# Altium PCB BLE_Gamepad_PCB.PcbDoc (part 2 of 2)
Units mm, origin at the board's own origin, x right, y up, seen from the top; angles counter-clockwise.
Board outline 144.15 x 112 mm, 2 copper layers (Top Layer, Bottom Layer), stack 1.671 mm thick; 133 components, 103 nets, 491 pads, 729 vias.
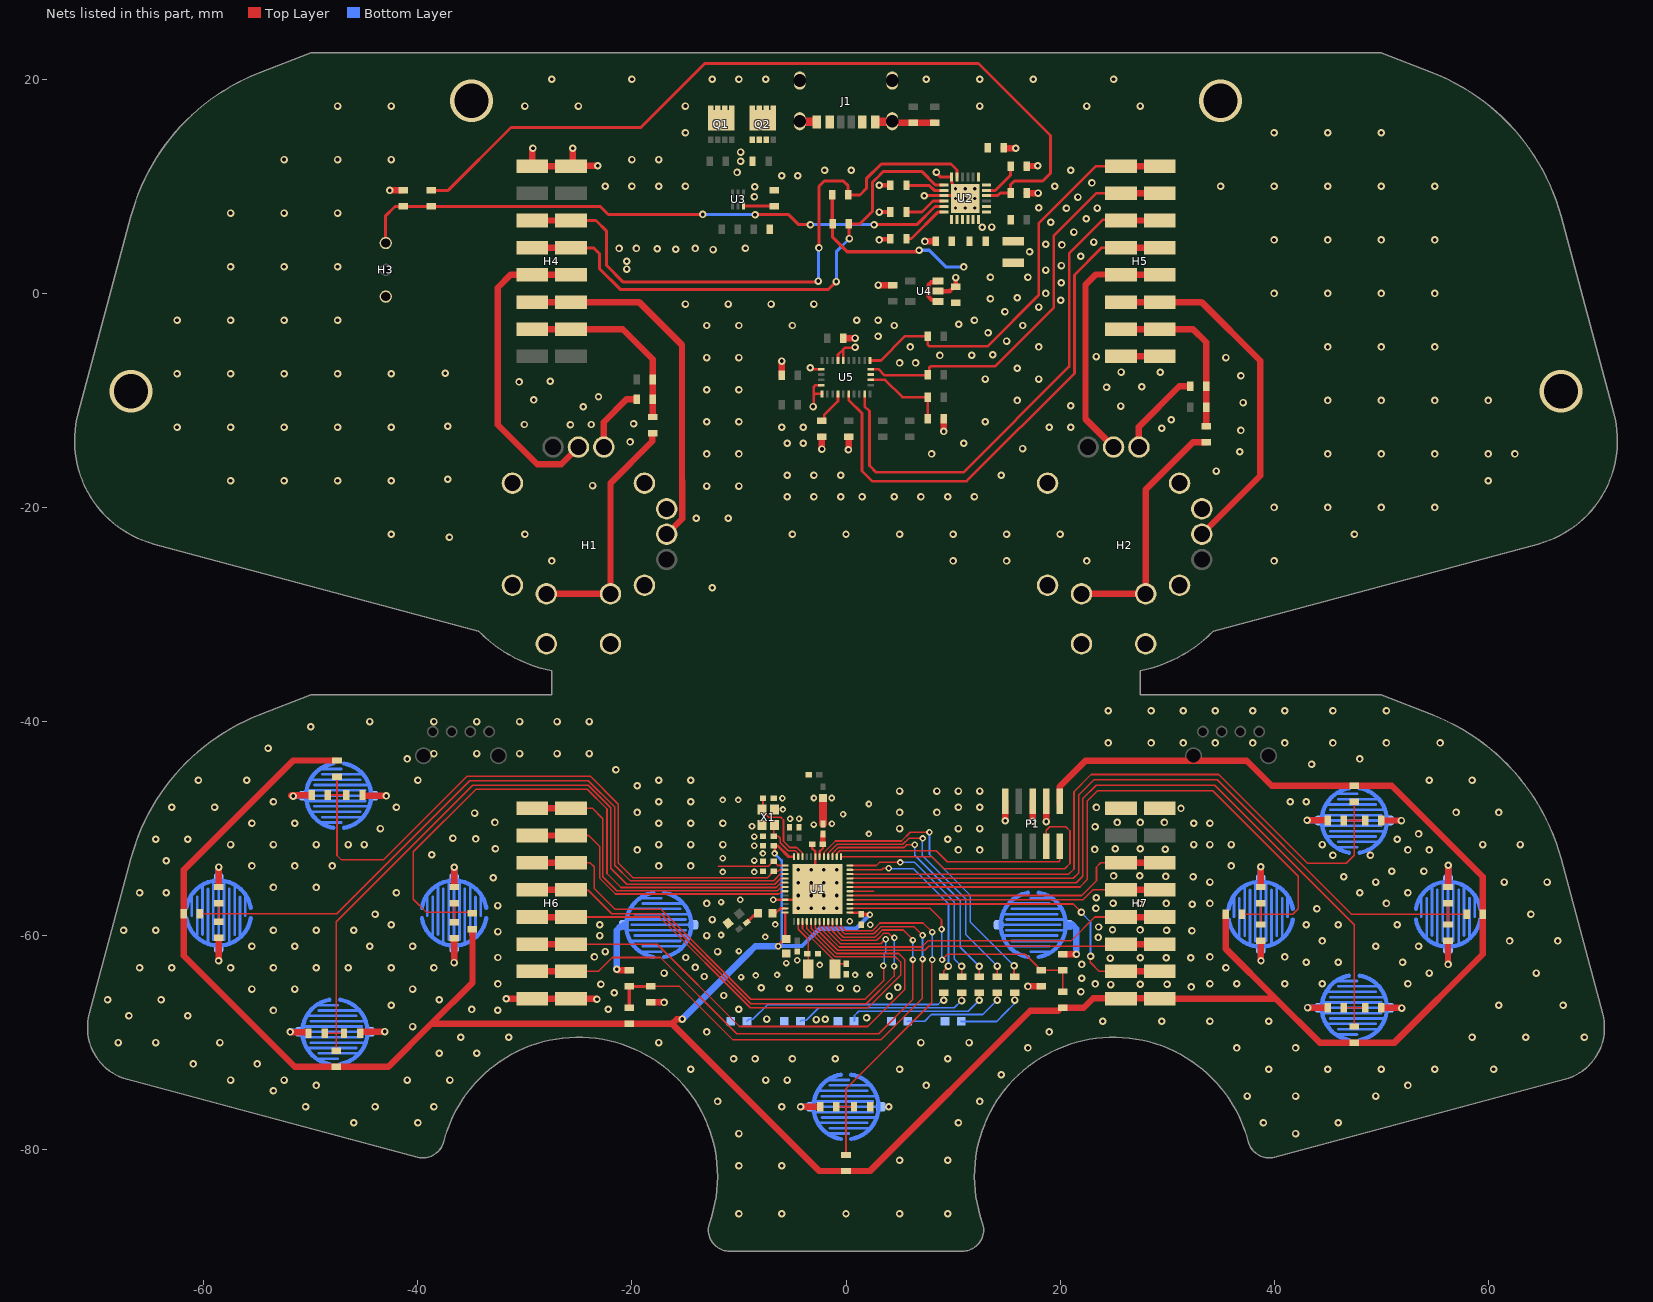
[diagram p2: the nets of this part, all layers, seen from the top]

## Via types
v1: diameter 0.7, hole 0.35, Top Layer to Bottom Layer, tented both sides, 642 vias
v2: diameter 0.61, hole 0.305, Top Layer to Bottom Layer, tented both sides, 58 vias
v3: diameter 0.66, hole 0.33, Top Layer to Bottom Layer, tented both sides, 16 vias
v4: diameter 0.4, hole 0.3, Top Layer to Bottom Layer, 9 vias
v5: diameter 4, hole 3.2, Top Layer to Bottom Layer, 4 vias

## Nets (pads, with @x,y where several pads share a name; then routed paths per layer and width w, separated by ;. In a path a pad name is that pad's centre, name@x,y a point inside that pad or via, vN(x,y) a via of type N, cw(c..) or ccw(c..) an arc to the next point about the centre after c; other vN are vias at no path point) (continued)
GND: C1.2 C2.2 C3.1 C4.2 C5.2 C6.1 C7.2 C8.2 C9.2 C10.1 C11.2 C12.2 C13.2 C14.2 C15.1 C16.1 C17.1 C18.1 C19.1 C20.1 C21.1 C22.1 C23.1 C24.1 C25.1 C26.1 C27.1 C28.1 C29.1 C32.1 C33.1 C34.1 C35.1 C37.1 C38.1 C39.1 C40.2 C41.1 C42.1 D1.2 D2.2 D3.2 D5.2 D7.2 H1.5 H2.5 H4.8 H5.1 H6.1 H7.8 J1.A12 J1.B12 J1.SHIELD P1.7 P1.8 P1.10 Q2.1 R36.1 R37.1 R41.1 R42.1 R43.1 R44.1 R46.1 R48.1 R55.1 SW1.1 SW2.1 SW3.1 SW4.1 SW5.1 SW6.1 SW7.1 SW8.1 SW9.1 SW10.1 SW11.1 U1.31 U1.45 U1.49 U2.6 U2.9 U2.17 U2.18 U2.25 U4.2 U5.2 U5.5 U5.6 U5.25 U5.26 X1.2 X1.4 | length 108
  Top Layer w0.229: v2@-6.801,-56.657 U1.45@-5.686,-56.657 U1.49@-4.861,-56.657 ; C3.1@-3.151,-51.458 -3.151,-51.871 -2.864,-52.158 U1.49@-2.864,-55.039
  Top Layer w0.25: C17.1@-58.625,-60.221 C17.1@-58.618,-60.214 ; v1(-3.35,-6.948) -3.228,-6.948 -3.101,-7.075 U5.2@-2.312,-7.075 ; v1(-3.075,-10.575) -3.025,-10.525 -3.025,-9.525 ; U5.5@-2.312,-8.575 -2.831,-8.575 -3.025,-8.769 -3.025,-9.525 ; U5.6@-2.25,-9.388 -2.888,-9.388 -3.025,-9.525 ; U5.26@-0.75,-6.263 -0.75,-5.725 -0.25,-5.225 ; U5.25@-0.25,-6.263 -0.25,-5.225 ; v1(0.85,-5.025) 0.8,-5.075 -0.1,-5.075 -0.25,-5.225
  Top Layer w0.28: v1(7.3,9.125) U2.9@9.164,9.125 U2.25@10.889,9.125 ; v1@8.575,11.125 8.841,10.859 U2.6@9.879,10.859 9.879,10.388 9.881,10.386 9.881,10.325 9.929,10.277 9.929,10.085 v4(10.239,9.775) U2.25@10.889,9.125 ; v4(11.139,8.875) U2.25@10.889,9.125
  Top Layer w0.4: v1(3.1,5) 3.15,5.05 4.1,5.05 R44.1@4.15,5.1 ; v1(3.1,7.6) R43.1@4.15,7.6 ; v1(3.1,10.1) R42.1@4.15,10.1 ; U4.2@8.6,0.211 9.7,0.211 10,0.511 10,0.536 10.1,0.636 C38.1@10.25,0.636 v1(10.25,1.475)
  Top Layer w0.6: v1(-58.625,-62.348) C17.1@-58.625,-60.214 ; C16.1@-45.403,-69.118 -45.403,-68.988 -43.118,-68.988 v1(-43.099,-68.969) ; C21.1@-45.177,-46.868 -45.177,-46.931 -42.969,-46.931 v1(-42.95,-46.95) ; v1(-42.625,9.625) -41.525,9.625 R41.1@-41.375,9.625 ; v1(-36.625,-62.525) -36.621,-62.522 -36.621,-60.24 C20.1@-36.618,-60.24 ; v1(-31.75,-65.9) -31.745,-65.895 -29.305,-65.895 H6.1@-29.3,-65.89 H6.1@-25.7,-65.89 -23.362,-65.89 -23.302,-65.95 v1(-23.275,-65.95) ; v1(-29.25,13.55) -29.25,13.523 -29.3,13.473 H4.8@-29.3,11.89 H4.8@-25.7,11.89 H4.8@-25.525,12.065 ; v1(-25.525,13.55) H4.8@-25.525,12.065 ; v1(-23.2,11.925) -23.217,11.907 -25.367,11.907 H4.8@-25.525,12.065 ; H1.5@-22.63,-14.36 -22.63,-12.03 -20.475,-9.875 C18.1@-19.6,-9.875 ; C24.1@-18.25,-66.25 v1(-17,-66.25) ; C41.1@-6,-7.65 v1@-6,-6.525 ; v1@-2.25,-14.4 C42.1@-2.25,-13.4 ; C40.2@-0.25,-4.175 v1@0.725,-4.175 ; v1(0.225,-14.6) 0.238,-14.587 0.238,-13.4 C39.1@0.25,-13.4 ; v1@3.075,0.775 C37.1@4.375,0.775 ; J1.SHIELD@4.32,16.08 4.45,15.95 R36.1@8.3,15.95 ; v1(7.375,4.85) 7.388,4.863 8.389,4.863 C34.1@8.389,4.875 ; v1@9.125,-12.725 R55.1@9.125,-11.7 ; C32.1@14.75,13.6 14.75,13.569 15.831,13.569 v1(15.85,13.55) ; v1(14.875,-49.275) 14.89,-49.26 P1.10@14.89,-47.463 ; C33.1@16.889,9.375 v1(17.95,9.375) ; C35.1@16.889,11.875 16.889,11.906 17.906,11.906 v1(17.925,11.925) ; v1(17,-64.75) C23.1@18.25,-64.75 ; P1.8@17.43,-47.463 17.43,-49.278 17.45,-49.298 v1(17.45,-49.325) ; v1(18.698,-49.347) 18.7,-49.346 P1.7@18.7,-47.463 ; v1(23.4,-48.025) v1@23.419,-48.044 ; H7.8@25.634,-48.044 H7.8@25.7,-48.11 ; H5.1@25.7,-5.89 H5.1@29.3,-5.89 ; H2.5@27.37,-14.36 27.37,-12.455 31.15,-8.675 C19.1@32.15,-8.675 ; H7.8@29.3,-48.11 H7.8@29.305,-48.105 ; C26.1@38.75,-60.465 38.763,-60.465 38.763,-62.338 v1(38.775,-62.35) ; C25.1@50,-66.75 50,-66.763 51.912,-66.763 v1(51.925,-66.775) ; C28.1@50,-49.25 v1(51.9,-49.25) ; v1(56.25,-62.7) C27.1@56.25,-60.465
  Top Layer w0.8: J1.SHIELD@-4.32,16.08 -4.28,16.04 -2.75,16.04 J1.A12@-2.75,16 ; J1.B12@2.75,16 2.75,16.04 4.28,16.04 J1.SHIELD@4.32,16.08
  Bottom Layer w0.6: SW2.1@-58.622,-61.148 SW2.1@-58.618,-61.144 ; SW1.1@-44.5,-69 SW1.1@-44.488,-68.987 ; SW4.1@-44.161,-46.931 SW4.1@-44.146,-46.946 ; SW3.1@-36.634,-61.16 SW3.1@-36.618,-61.144 ; SW10.1@56.237,-61.263 SW10.1@56.25,-61.25
  other v1: -10,-86 -6,-86 0,-86 5,-86 9.5,-86 -10,-81.5 -6,-81.5 5,-81 9.5,-81 -10,-78.5 42,-78.5 -46,-77.5 -40,-77.5 10.5,-77.5 39,-77.5 46,-77.5 -50.5,-76 -44,-76 -38.5,-76 -6,-76 4,-76 -12,-75.5 12.5,-75.5 37.5,-75 42,-75 49.5,-75 -53.5,-74.5 -49.5,-74 7.5,-74 52.5,-74 -57.5,-73.5 -52.5,-73.5 -41,-73.5 -37,-73.5 -7.5,-73.5 -5.5,-73.5 14.5,-73 -14.5,-72.5 5,-72.5 39.5,-72.5 45,-72.5 50,-72.5 55,-72.5 60.5,-72.5 -61,-72 -55,-72 -10.5,-71.5 -8.5,-71.5 -5,-71.5 -1,-71.5 9.5,-71.5 -38,-71 -34.5,-71 17,-70.5 36.5,-70.5 42,-70.5 -68,-70 -64.5,-70 -58.5,-70 -17.5,-70 7,-70 11.5,-70 -36,-69.5 -31.5,-69.5 58.5,-69.5 63.5,-69.5 69,-69.5 -13,-69 19,-69 -40.5,-68.5 24,-68 29.5,-68 34,-68 39.5,-68 -2.775,-67.85 -1.95,-67.825 -7.4,-67.8 1.925,-67.675 -67,-67.5 -61.5,-67.5 -53.5,-67 -32.55,-66.975 -34.975,-66.9 -22.225,-66.875 -10.025,-66.875 -42.5,-66.5 61,-66.5 67,-66.5 -69,-66 -64,-66 -38,-66 4.05,-65.65 -11.425,-65.6 -21.65,-65.35 21.95,-65.25 -55.5,-65 -51.5,-65 -40.5,-65 -3.45,-64.975 1.025,-64.95 -5.3,-64.925 -0.55,-64.9 -7.925,-64.875 4.825,-64.85 32.25,-64.8 24.725,-64.575 -22.9,-64.55 27.5,-64.55 30,-64.55 -32.525,-64.525 23.3,-64.525 34,-64.5 36.5,-64.5 41,-64.5 44.5,-64.5 52.5,-64.5 22.025,-64 -13.25,-63.825 -17,-63.5 54.5,-63.5 64.5,-63.5 -66,-63 -63,-63 -57.5,-63 -53.5,-63 -49.5,-63 -46.5,-63 -42.5,-63 -38.5,-63 35.5,-63 -14.075,-62.975 22.025,-62.7 43,-62.5 46,-62.5 52,-62.5 24.7,-62.1 27.5,-62.075 29.925,-62.075 32.2,-62.075 -32.525,-62.05 -14.975,-62.05 -23.5,-62 34,-62 41,-62 -22.5,-61.5 -12,-61.5 -55.5,-61 -51.5,-61 -44.5,-61 -40.5,-61 49.5,-61 53.5,-61 44.5,-60.5 62,-60.5 66.5,-60.5 23.575,-60.175 -23,-60 -13,-60 -32.525,-59.625 32.325,-59.55 -67.5,-59.5 -64.5,-59.5 -53.5,-59.5 -49.5,-59.5 -46,-59.5 29.95,-59.5 27.475,-59.475 24.9,-59.45 23.6,-59.2 -42.5,-59 -23,-59 43,-59 46,-59 51.5,-59 -12.5,-58.5 -44,-58 64,-58 44,-57.5 23.35,-57.45 -32.55,-57.2 32.35,-57.075 -13,-57 29.925,-57 34,-57 50.5,-57 24.95,-56.975 27.45,-56.975 23.375,-56.475 -66,-56 -63.5,-56 -42,-56 48,-56 52.5,-56 -53.5,-55.5 -49.5,-55.5 34,-55 49.5,-55 61.5,-55 65.5,-55 -32.95,-54.6 32.425,-54.5 46.5,-54.5 29.875,-54.475 25,-54.425 27.45,-54.4 51,-54 54,-54 -55.5,-53.5 -51.5,-53.5 -48,-53.5 -17.5,-53.5 -14.5,-53.5 36,-53.5 -63.5,-53 45.5,-52.5 49,-52.5 -38.7,-52.45 -19.5,-52 10.5,-52 12.5,-52 52.5,-52 54.5,-52 23.25,-51.95 29.825,-51.925 -32.75,-51.9 25.15,-51.9 27.5,-51.9 -57.5,-51.5 -53.5,-51.5 -49.5,-51.5 -46.5,-51.5 -45,-51.5 -17.5,-51.5 -14.5,-51.5 -11.5,-51.5 32.5,-51.5 34,-51.5 36,-51.5 44.5,-51.5 59.5,-51.5 63,-51.5 -64.5,-51 -61.5,-51 9.5,-51 51.5,-51 -34.6,-50.975 -36.725,-50.9 53.5,-50.5 -43.5,-50 5,-50 10.5,-50 12.5,-50 23.275,-49.825 -55.5,-49.5 -51.5,-49.5 -17.5,-49.5 -14.5,-49.5 -11.5,-49.5 32.5,-49.5 34,-49.5 -32.8,-49.425 25.35,-49.425 27.5,-49.425 29.75,-49.425 -34.7,-48.55 -19.5,-48.5 5,-48.5 8.5,-48.5 57,-48.5 61,-48.5 31.3,-48.125 -63,-48 -59,-48 -42,-48 10.5,-48 12.5,-48 -53.5,-47.5 -17.5,-47.5 -14.5,-47.5 41.5,-47.5 43,-47.5 5,-46.5 8.5,-46.5 10.5,-46.5 12.5,-46.5 -19.5,-46 -60.5,-45.5 -56,-45.5 -40,-45.5 -17.5,-45.5 -14.5,-45.5 54.5,-45.5 58.5,-45.5 -21.5,-44.5 43.5,-44 -41,-43.5 48,-43.5 -38.5,-43 -34.5,-43 -30.5,-43 -27,-43 -24,-43 -54,-42.5 24.5,-42 28.5,-42 31.5,-42 34.5,-42 38,-42 41,-42 45.5,-42 50.5,-42 55.5,-42 -50,-40.5 -44.5,-40 -38.5,-40 -34.5,-40 -30.5,-40 -27,-40 -24,-40 24.5,-39 28.5,-39 31.5,-39 34.5,-39 38,-39 41,-39 45.5,-39 50.5,-39 -12.5,-27.5 -27.5,-25 10,-25 15,-25 22.5,-25 40,-25 -37.05,-22.775 -42.5,-22.5 -30,-22.5 -5,-22.5 0,-22.5 5,-22.5 10,-22.5 15,-22.5 20,-22.5 47.5,-22.5 -14,-21 -11,-21 40,-20 45,-20 50,-20 55,-20 -5.5,-19 -3,-19 -0.5,-19 1.5,-19 4.5,-19 7,-19 9.5,-19 12,-19 -13,-18 -10,-18 -23.675,-17.95 -57.5,-17.5 -52.5,-17.5 -47.5,-17.5 -42.5,-17.5 60,-17.5 -37.2,-17.375 -5.5,-17 -3,-17 -0.5,-17 14.5,-17 34.6,-16.6 -13,-15 -10,-15 8,-15 45,-15 50,-15 55,-15 60,-15 62.5,-15 36.8,-14.8 -2.25,-14.55 16.5,-14.5 -5.5,-14 -4,-14 11,-14 -20.175,-13.875 9.125,-12.9 36.9,-12.8 29.5,-12.6 -62.5,-12.5 -57.5,-12.5 -52.5,-12.5 -47.5,-12.5 -42.5,-12.5 -6,-12.5 -4,-12.5 19,-12.5 21,-12.5 -37.2,-12.425 -25.75,-12.275 -30.05,-12.25 -23.8,-12.25 -19.85,-12.175 -13,-12 -10,-12 13,-12 30.4,-11.8 -24.55,-10.6 25.675,-10.525 21,-10.5 37.1,-10.2 16,-10 45,-10 50,-10 55,-10 60,-10 -29.175,-9.95 -23.125,-9.65 -13,-9 -10,-9 24.35,-8.775 27.625,-8.725 -30.55,-8.275 -27.625,-8.2 13,-8 18,-8 36.9,-7.7 -62.5,-7.5 -57.5,-7.5 -52.5,-7.5 -47.5,-7.5 -42.5,-7.5 -37.45,-7.45 29.35,-7.375 25.7,-7.35 16,-7 5,-6.5 6.5,-6.5 -6,-6.325 -13,-6 -10,-6 35.5,-6 23.375,-5.9 8.775,-5.8 11.75,-5.775 13.7,-5.725 6,-5 18,-5 45,-5 50,-5 55,-5 15,-4.45 0.85,-4.175 3,-4 13.275,-3.675 -13,-3 -10,-3 -5,-3 4.5,-3 16.525,-3 10.525,-2.875 -62.5,-2.5 -57.5,-2.5 -52.5,-2.5 -47.5,-2.5 1,-2.5 3,-2.5 12,-2.5 14.85,-1.725 18,-1.275 -15,-1 -11,-1 -7,-1 -3,-1 20.075,-0.65 13.5,-0.5 16,-0.4 18.675,0 40,0 45,0 50,0 55,0 3.025,0.775 20.1,1 13.5,1.5 17,1.5 18.675,2.175 -57.5,2.5 -52.5,2.5 -47.5,2.5 20.125,2.6 21.925,3.475 17.15,3.9 -12.425,4.1 -15.9,4.125 -17.625,4.175 -21.2,4.2 -19.575,4.2 -14.075,4.2 -9.4,4.225 20.175,4.525 18.675,4.6 23.15,4.8 40,5 45,5 50,5 55,5 21.3,5.725 12.725,6.175 13.625,6.2 19.125,6.65 22.45,6.975 -57.5,7.5 -52.5,7.5 -47.5,7.5 20.6,7.95 23.475,7.975 18,8 21.675,9 -8.55,9.025 -8.525,9.975 -22.5,10 -20,10 -17.5,10 -15,10 19.5,10 35,10 40,10 45,10 50,10 55,10 22.975,10.325 -6,11 -4.5,11 -10.175,11.3 8.45,11.325 -2,11.5 0.5,11.5 21,11.5 -9.85,12.35 -52.5,12.5 -47.5,12.5 -42.5,12.5 -20,12.5 -17.5,12.5 -9.85,13.2 -15,15 40,15 45,15 50,15 -47.5,17.5 -42.5,17.5 -30,17.5 -25,17.5 -15,17.5 12.5,17.5 22.5,17.5 27.5,17.5 -27.5,20 -20,20 -12.5,20 -10,20 -7.5,20 7.5,20 12.5,20 17.5,20 25,20
  other v2: -9.8,-63.875 -8.425,-63.725 -6.446,-63.683 0.844,-63.683 2.241,-63.683 -2.458,-62.744 -5.582,-62.566 -4.566,-62.312 -10.002,-61.448 -7.55,-60.125 -11.677,-59.948 2.267,-58.984 -6.603,-58.959 0.339,-58.654 -11.675,-56.875 -9.875,-56.657 -6.801,-56.648 -11.526,-54.057 -8.579,-54.057 -8.579,-52.99 -11.526,-52.787 -7.759,-52.33 -8.579,-51.618 -8.579,-50.755 2.14,-50.501 -8.783,-49.79 -3.011,-49.633 -1.315,-49.561 -5.226,-49.078 -4.388,-49.078 -0.273,-48.672 -5.892,-48.215 2.14,-47.707 -11.526,-47.326 -10.078,-47.326 -5.938,-47.173 -2.998,-47.148 -1.321,-47.148
  other v3: -4.461,-57.457 -3.261,-57.457 -2.061,-57.457 -0.861,-57.457 -4.461,-56.257 -3.261,-56.257 -2.061,-56.257 -0.861,-56.257 -4.461,-55.057 -3.261,-55.057 -2.061,-55.057 -0.861,-55.057 -4.461,-53.857 -3.261,-53.857 -2.061,-53.857 -0.861,-53.857
  other v4: 10.239,7.975 11.139,7.975 12.039,7.975 10.239,8.875 12.039,8.875 11.139,9.775 12.039,9.775
  other v5: -66.797,-9.141 66.797,-9.141 -35,18 35,18
H_CSN: U5.18
H_INTN: H5.6 U5.14 | length 50.3
  Top Layer w0.25: U5.14@1.75,-9.388 1.75,-10.55 2.2,-11 2.2,-16.1 2.825,-16.725 10.975,-16.725 20.85,-6.85 20.85,3.725 24.016,6.891 25.619,6.891 H5.6@25.7,6.81
  Top Layer w0.6: H5.6@25.7,6.81 H5.6@29.3,6.81
H_SCL: H5.7 R51.1 U5.19 | length 38.5
  Top Layer w0.25: U5.19@2.312,-7.075 2.548,-7.075 3.025,-7.075 3.6,-7.65 7.6,-7.65 7.777,-7.473 7.777,-6.946 7.923,-6.8 13.95,-6.8 19.4,-1.35 19.4,5.375 23.375,9.35 H5.7@25.7,9.35
  Top Layer w0.6: H5.7@25.7,9.35 H5.7@29.3,9.35
H_SDA: H5.8 R50.1 U5.20 | length 39.8
  Top Layer w0.25: U5.20@2.25,-6.263 3.262,-6.263 5.525,-4 R50.1@7.65,-4 7.65,-4.804 7.796,-4.95 13.225,-4.95 18,-0.175 18,6.525 23.365,11.89 H5.8@25.7,11.89
  Top Layer w0.6: H5.8@25.7,11.89 H5.8@29.3,11.89
ICHG: R43.2 U2.10 | length 3.9
  Top Layer w0.28: R43.2@5.65,7.6 7.1,7.6 8.125,8.625 U2.10@9.164,8.625
ILIM: R42.2 U2.8 | length 3.7
  Top Layer w0.28: R42.2@5.65,10.1 7.764,10.1 8.239,9.625 U2.8@9.164,9.625
L_SW: C18.2 H4.2 R6.1 R8.1 | length 17.8
  Top Layer w0.6: H4.2@-29.3,-3.35 H4.2@-25.7,-3.35 -20.85,-3.35 -18.05,-6.15 -18.05,-7.724 R6.1@-18.05,-8.05 C18.2@-18.05,-9.875 R8.1@-18.05,-11.55
L_X: H1.2 H4.4 | length 30
  Top Layer w0.6: H4.4@-25.7,1.73 H4.4@-29.3,1.73 -31.345,1.73 -32.55,0.525 -32.55,-12.275 -28.85,-15.975 -26.615,-15.975 H1.2@-25.158,-14.518 ; H1.2@-25.316,-14.36 H1.2@-25,-14.36
L_Y: H1.3 H4.3 | length 33.9
  Top Layer w0.6: H4.3@-29.3,-0.81 H4.3@-25.7,-0.81 -19.34,-0.81 -15.325,-4.825 -15.325,-17.5 -15.303,-17.522 -15.303,-21.048 H1.3@-16.755,-22.5
NetC3_2: C3.2 L1.1 U1.30 | length 2.2
  Top Layer w0.229: U1.30@-2.461,-52.632 -2.461,-52.157 -2.151,-51.847 C3.2@-2.151,-51.458
  Top Layer w0.508: C3.2@-2.156,-51.466 L1.1@-2.156,-50.569
NetC35_2: C35.2 U2.23 | length 3.7
  Top Layer w0.28: U2.23@13.114,9.625 13.964,9.625 15.354,11.015 15.354,11.84 C35.2@15.389,11.875
NetC42_2: C42.2 U5.9 | length 3.2
  Top Layer w0.25: C42.2@-2.25,-11.9 -2.221,-11.9 -2.046,-11.725 -2.046,-11.372 -1.575,-10.9 -0.75,-10.075 U5.9@-0.75,-9.388
NetD1_1: D1.1 R24.2 | length 6.7
  Top Layer w0.152: v1(15.775,-66.025) 15.775,-65.4 15.8,-65.375 R24.2@15.775,-65.35
  Bottom Layer w0.152: D1.1@10.75,-68 10.775,-68.025 14.075,-68.025 14.887,-67.213 15.698,-66.402 15.698,-66.102 v1(15.775,-66.025)
NetD2_1: D2.1 R25.2 | length 9.9
  Top Layer w0.152: v1(14.125,-66.025) R25.2@14.125,-65.35
  Bottom Layer w0.152: D2.1@5.75,-68 7.35,-68 7.978,-67.372 12.778,-67.372 v1(14.125,-66.025)
NetD3_1: D3.1 R28.2 | length 13.5
  Top Layer w0.152: v1(12.45,-66.05) R28.2@12.45,-65.35
  Bottom Layer w0.152: D3.1@0.75,-68 0.789,-67.961 0.789,-67.461 1.183,-67.067 11.433,-67.067 v1(12.45,-66.05)
NetD5_1: D5.1 R32.2 | length 16.6
  Top Layer w0.152: v1(10.8,-66.075) R32.2@10.8,-65.35
  Bottom Layer w0.152: D5.1@-4.25,-68 -4.161,-67.911 -3.711,-67.911 -2.55,-66.75 10.125,-66.75 v1(10.8,-66.075)
NetD7_1: D7.1 R34.2 | length 19.9
  Top Layer w0.152: v1(9.125,-66.05) R34.2@9.125,-65.375
  Top Layer w0.3: R34.2@9.125,-65.375 R34.2@9.15,-65.35
  Bottom Layer w0.152: D7.1@-9.25,-68 -9.075,-67.825 -8.7,-67.825 -7.325,-66.45 -0.944,-66.45 -0.94,-66.446 8.591,-66.446 8.987,-66.05 v1(9.125,-66.05)
NetH1_4: H1.4 R8.2 | length 22.7
  Top Layer w0.6: H1.4@-28,-28.07 H1.4@-22,-28.07 -22,-17.725 -18.099,-13.824 -18.099,-13.05 R8.2@-18.05,-13.05
NetH2_4: H2.4 R9.2 | length 23.2
  Top Layer w0.6: H2.4@22,-28.07 27.705,-28.07 27.725,-28.05 27.745,-28.07 H2.4@28,-28.07 28,-18.325 32.425,-13.9 R9.2@33.65,-13.9
NetL2_1: L2.1 L3.2 | length 1.4
  Top Layer w0.279: L3.2@-9.262,-58.78 -8.399,-57.918 L2.1@-8.218,-57.918
NetL2_2: L2.2 U1.47 | length 1.4
  Top Layer w0.229: L2.2@-6.868,-57.918 -6.566,-57.918 -6.106,-57.457 U1.47@-5.686,-57.457
NetQ1_5: Q1.5 Q2.5
NetR4_1: R4.1 SW1.2 | length 2.7
  Top Layer w0.6: v1(-51.925,-69) -51.906,-69.019 -50.222,-69.019 R4.1@-50.222,-69.118
  Bottom Layer w0.6: v1(-51.925,-69) SW1.2@-51,-69
NetR5_1: R5.1 SW2.2 | length 2.9
  Top Layer w0.6: R5.1@-58.618,-55.464 -58.609,-55.464 -58.609,-53.609 v1(-58.6,-53.6)
  Bottom Layer w0.6: SW2.2@-58.618,-54.644 -58.609,-54.635 -58.609,-53.609 v1(-58.6,-53.6)
NetR12_1: R12.1 SW3.2 | length 2.9
  Top Layer w0.6: R12.1@-36.618,-55.463 -36.609,-55.463 -36.609,-53.634 v1(-36.6,-53.625)
  Bottom Layer w0.6: SW3.2@-36.618,-54.644 -36.609,-54.635 -36.609,-53.634 v1(-36.6,-53.625)
NetR13_1: R13.1 SW4.2 | length 3
  Top Layer w0.6: v1@-51.85,-46.925 -51.831,-46.906 -49.92,-46.906 R13.1@-49.92,-46.868
  Bottom Layer w0.6: v1(-51.643,-46.962) -51.628,-46.946 -50.677,-46.946 SW4.2@-50.661,-46.931
NetR17_1: R17.1 SW5.2 | length 2.8
  Top Layer w0.6: v1(-4.25,-76) R17.1@-2.411,-76
  Bottom Layer w0.6: v1(-4.25,-76) SW5.2@-3.25,-76
NetR18_1: R18.1 SW6.2 | length 4.8
  Top Layer w0.6: R18.1@20.25,-61.75 v1(21.525,-61.75)
  Bottom Layer w0.6: SW6.2@20.9,-59.15 SW6.2@20.75,-59 21.174,-59 21.525,-59.351 v1(21.525,-61.75)
NetR19_1: R19.1 SW7.2 | length 5.7
  Top Layer w0.6: v1(-21.425,-63.15) -21.398,-63.15 -21.298,-63.25 R19.1@-20.25,-63.25
  Bottom Layer w0.6: v1(-21.425,-63.15) -21.425,-59.501 -21.074,-59.15 -20.9,-59.15 SW7.2@-20.75,-59
NetR22_1: R22.1 SW8.2 | length 3
  Top Layer w0.6: v1(43.125,-66.725) 43.138,-66.738 45,-66.738 R22.1@45,-66.75
  Bottom Layer w0.6: v1(43.125,-66.725) 43.138,-66.738 44.238,-66.738 SW8.2@44.25,-66.75
NetR23_1: R23.1 SW9.2 | length 3.1
  Top Layer w0.6: R23.1@38.75,-55.465 v1(38.75,-53.575)
  Bottom Layer w0.6: SW9.2@38.75,-54.75 v1(38.75,-53.575)
NetR30_1: R30.1 SW10.2 | length 3.4
  Top Layer w0.6: R30.1@56.25,-55.465 56.262,-55.465 56.262,-53.438 v1(56.275,-53.425)
  Bottom Layer w0.6: SW10.2@56.25,-54.75 56.262,-54.738 56.262,-53.438 v1(56.275,-53.425)
NetR31_1: R31.1 SW11.2 | length 3.1
  Top Layer w0.6: v1(43.075,-49.225) 43.088,-49.237 45,-49.237 R31.1@45,-49.25
  Bottom Layer w0.6: v1(43.075,-49.225) 43.088,-49.238 44.238,-49.238 SW11.2@44.25,-49.25
NRST: H5.5 U5.11 | length 50.4
  Top Layer w0.25: U5.11@0.25,-9.388 0.25,-9.95 1.5,-11.2 1.5,-16.6 2.45,-17.55 11.275,-17.55 21.35,-7.475 21.35,1.725 23.895,4.27 H5.5@25.7,4.27
  Top Layer w0.6: H5.5@25.7,4.27 H5.5@29.3,4.27
P0.00/XL1: C11.1 U1.2 X2.1 | length 4.8
  Top Layer w0.152: U1.2@-4.461,-58.682 -4.461,-59.409 -3.53,-60.34 X2.1@-3.53,-63.125
P0.01/XL2: C12.1 U1.3 X2.2 | length 7
  Top Layer w0.152: U1.3@-4.061,-58.682 -4.061,-59.378 -1.03,-62.409 X2.2@-1.03,-63.125 -0.53,-62.625 C12.1@0.031,-62.625
P0.02/AIN0: H6.4 U1.4 | length 51.1
  Top Layer w0.152: H6.4@-24.905,-58.27 -17.43,-58.27 -8.95,-66.75 2.05,-66.75 5.1,-63.7 5.1,-62.475 4.607,-61.982 2.567,-61.982 -1.025,-61.982 -3.661,-59.346 U1.4@-3.661,-58.682
  Top Layer w0.6: H6.4@-29.3,-58.27 H6.4@-25.7,-58.27 H6.4@-24.905,-58.27
P0.03/AIN1: H6.3 U1.5 | length 52.8
  Top Layer w0.152: H6.3@-25.187,-60.81 -17.64,-60.81 -9.95,-68.5 2.025,-68.5 5.475,-65.05 5.475,-62.225 4.926,-61.676 2.567,-61.676 -0.899,-61.676 -3.261,-59.314 U1.5@-3.261,-58.682
  Top Layer w0.6: H6.3@-29.3,-60.81 H6.3@-25.7,-60.81 H6.3@-25.187,-60.81